# KiCad board processed.kicad_pcb (continued)
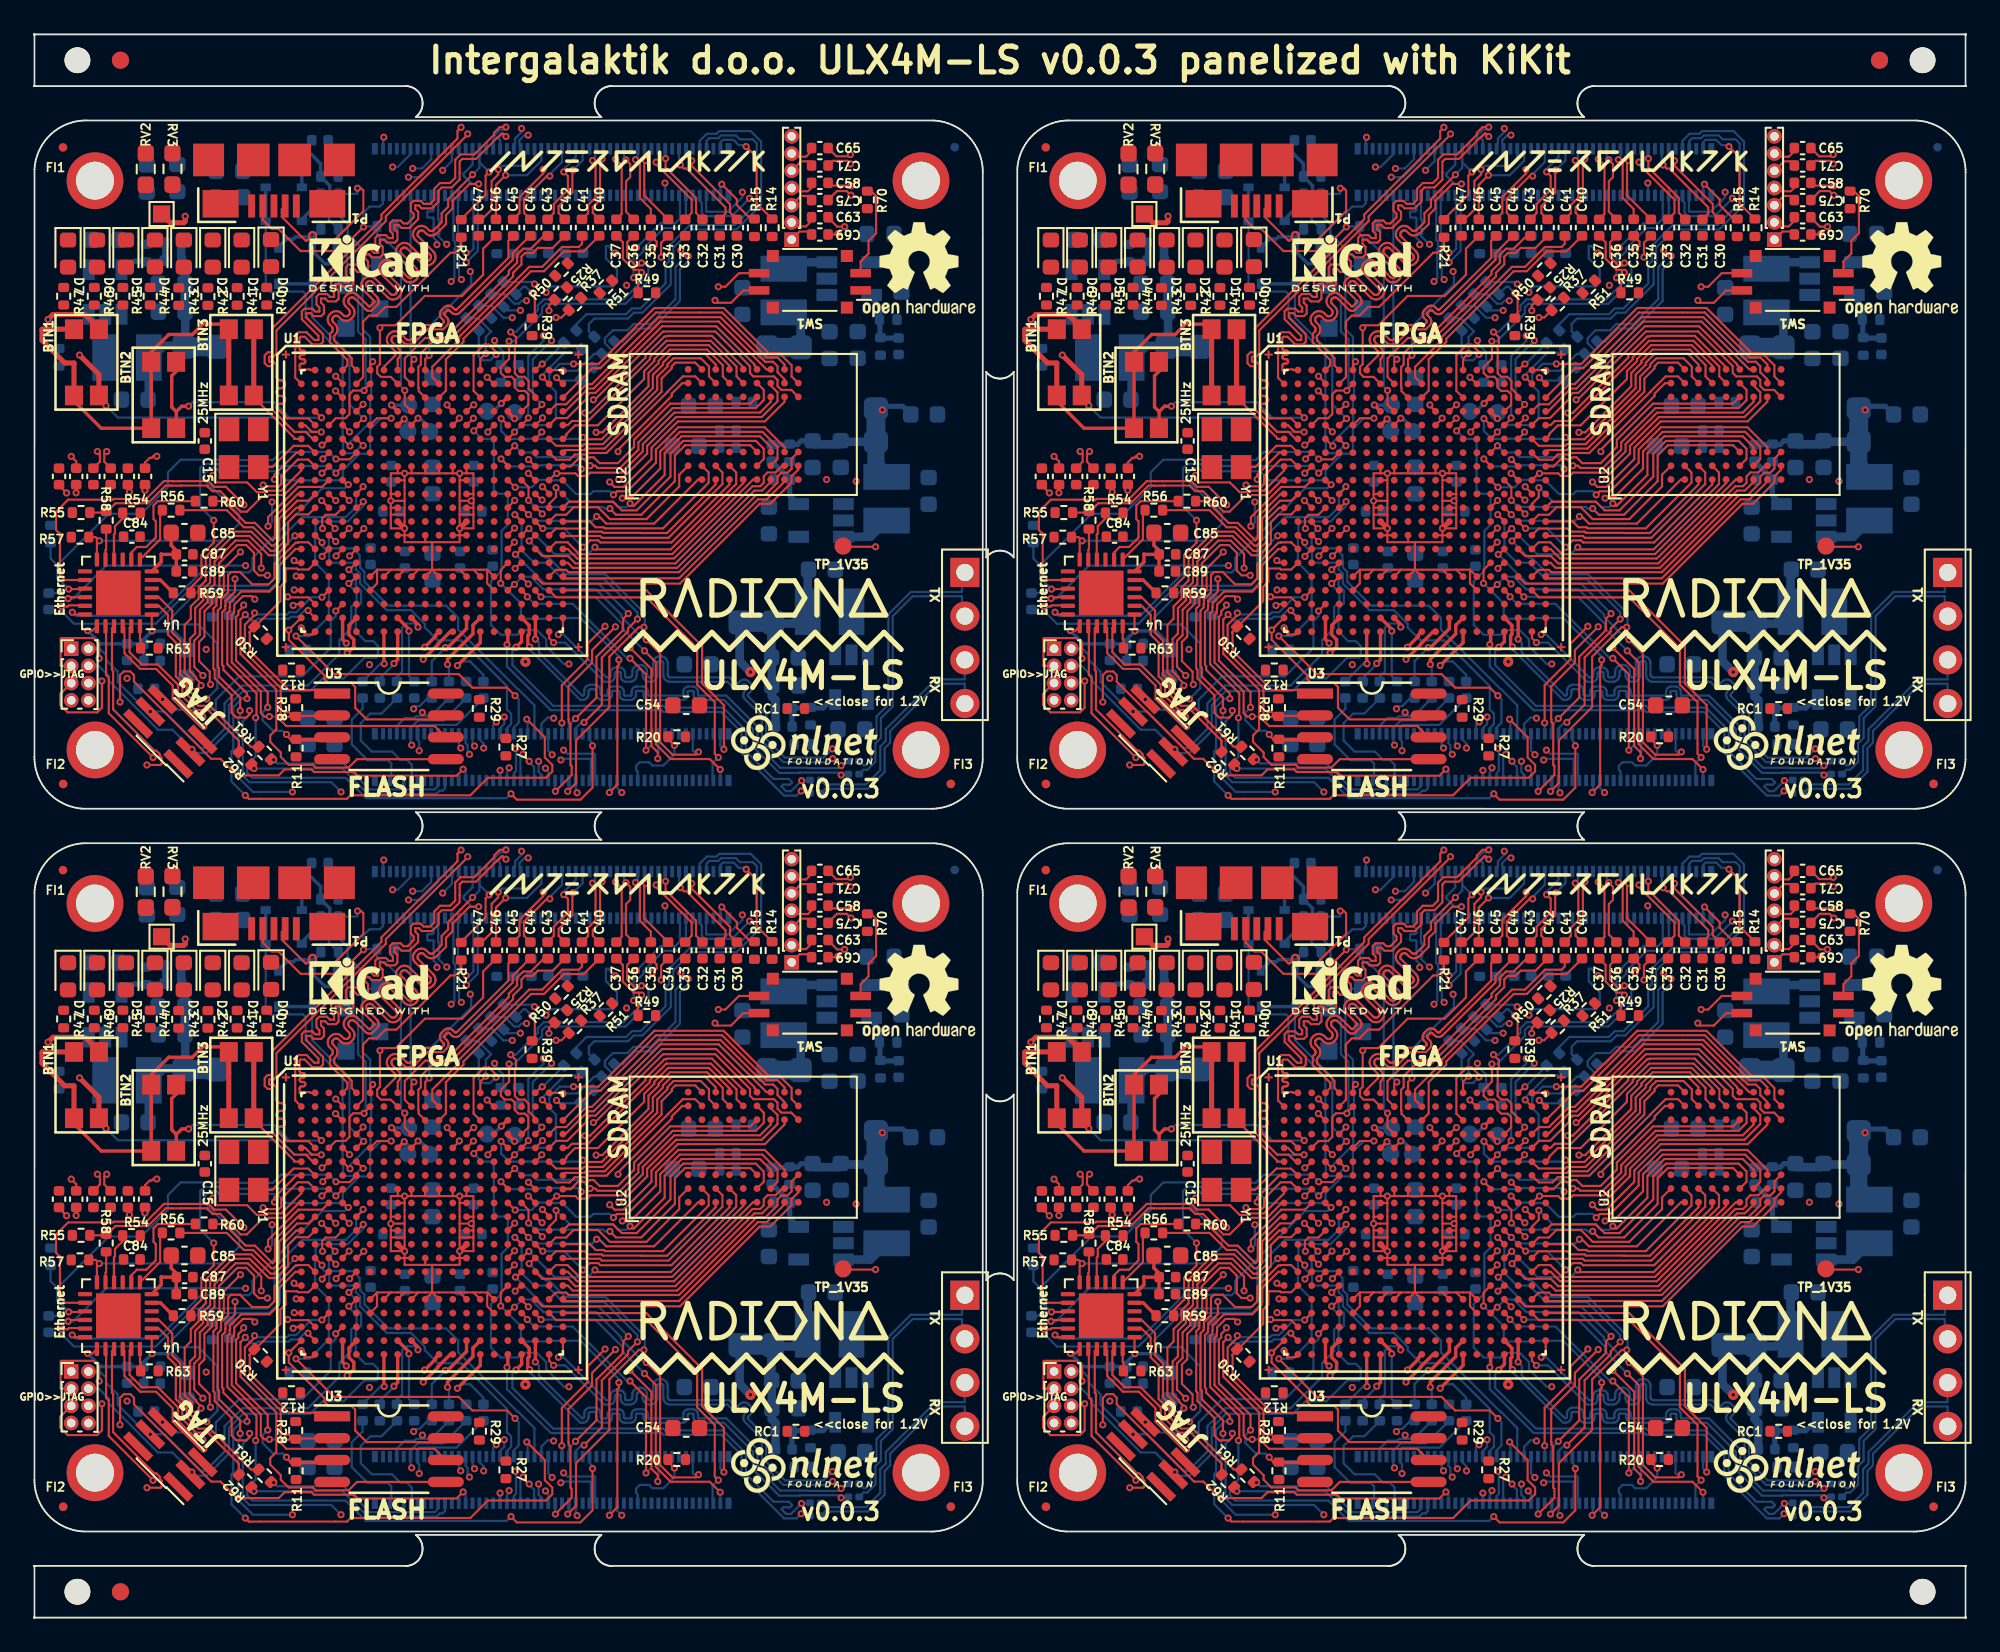
[diagram p0: board, top side]
## Routing (per net, layer and track width the routed paths; a pad name or vN(x,y) marks a point on that pad's centre or on a via; arc(x,y) is an arc through that point) (continued)
Board_1-CAM1_D1_P: length 20.5
  Top w0.127: U1#2.E4 75.03,69.3 v1(75.42,68.91)
  In2.Cu w0.127: v1(75.42,68.91) 75.83,69.32 75.83,70.03 75.88,70.08 76.34,70.08 76.38,70.12 76.63,70.12 76.63,70.67 78.58,72.62 78.58,73.13 80.12,74.67 80.4,74.95 80.42,74.96 80.47,75.02 80.5,75.09 80.52,75.17 80.52,75.25 80.5,75.33 80.47,75.4 80.42,75.46 80.31,75.57 80.29,75.59 80.28,75.61 80.28,75.64 80.28,75.66 80.28,75.69 80.29,75.71 80.31,75.73 80.32,75.75 80.34,75.77 80.37,75.78 80.39,75.78 80.42,75.78 80.44,75.78 80.47,75.77 80.49,75.75 81.04,75.2 81.1,75.15 81.17,75.12 81.25,75.1 81.33,75.1 81.4,75.12 81.47,75.15 81.54,75.2 81.58,75.25 81.63,75.31 81.67,75.38 81.68,75.46 81.68,75.54 81.67,75.62 81.63,75.69 81.58,75.75 81.3,76.03 81.3,76.03 81.04,76.3 81.02,76.32 81.01,76.34 81.01,76.37 81.01,76.39 81.01,76.42 81.02,76.44 81.04,76.46 81.05,76.48 81.07,76.49 81.1,76.51 81.12,76.51 81.15,76.51 81.17,76.51 81.2,76.49 81.22,76.48 81.33,76.37 81.39,76.32 81.46,76.29 81.54,76.27 81.62,76.27 81.69,76.29 81.76,76.32 81.83,76.37 81.84,76.39 81.84,76.39 81.92,76.47 v1(81.92,77.76)
  Bottom w0.127: J2#2.23 81.72,82.6 81.72,80.15 81.82,80.05 81.82,79.45 81.78,79.41 81.78,77.9 v1(81.92,77.76)
Board_1-Camera_GPIO: length 18.4
  Top w0.127: U1#2.U19 87.43,59.29 92.67,59.29 95.62,56.34 95.62,54.22 96.64,53.19 96.64,50.2 v1(96.85,49.99)
  Bottom w0.127: J1#2.97 96.52,48.69 96.52,49.65 v1(96.85,49.99)
Board_1-CLK_25MHz: length 4
  Top w0.127: U1#2.G2 73.02,68.09 72.17,68.09 70.93,66.86 Y1#2.3
Board_1-CM4_1.8V: length 0.4
  Bottom w0.127: J1#2.88 J1#2.90
Board_1-DSI0_C_N: length 15.6
  Top w0.127: R39#2.1 86.19,75.67 86.19,76.81 v1(86.02,76.97)
  In2.Cu w0.127: v1(86.02,76.97) 86.21,76.97 86.67,77.42 v1(91.52,77.42)
  In3.Cu w0.127: v1(91.52,77.42) 91.53,77.43 91.53,79.05 v1(92.09,79.61)
  Bottom w0.127: v1(92.09,79.61) 93.51,81.03 94.35,81.03 94.62,81.3 94.62,82.59 J2#2.87 ; R38#2.2 85.53,77.35 85.65,77.35 v1(86.02,76.97)
Board_1-DSI0_C_P: length 16.9
  Top w0.127: R49#2.1 92.19,77.6 v1(91.93,77.86)
  In2.Cu w0.127: v1(91.93,77.86) 91.64,77.86 89.88,79.61 88.28,79.61 v1(86.17,77.5)
  Bottom w0.127: v1(91.93,77.86) 91.93,79.17 92.26,79.17 92.49,79.4 92.5,79.4 92.5,79.57 93.68,80.75 94.45,80.75 94.97,81.26 J2#2.89 ; R26#2.1 86.05,77.62 v1(86.17,77.5)
Board_1-DSI0_D1_P: length 25.7
  In2.Cu w0.127: v1(93.75,83.37) 93.75,82.89 93.11,82.89 92.09,83.91 91.25,83.91 89.93,82.59 89.93,80.24 v1(90.87,79.3) ; v1(86.85,77.01) 86.85,76.8 85.59,75.54 v1(84.88,75.54) 84.55,75.54 83.85,74.84 v1(83.85,74.21)
  Bottom w0.127: R24#2.1 83.68,76.23 84.36,75.54 v1(84.88,75.54) ; J2#2.83 93.77,83.35 v1(93.75,83.37) ; R52#2.1 84.36,72.94 84.36,73.55 83.85,74.06 v1(83.85,74.21) ; v1(86.85,77.01) 86.85,77.08 87.12,77.36 90.72,77.36 90.96,77.6 90.96,78.35 90.32,78.99 90.32,79.71 90.46,79.71 v1(90.87,79.3)
Board_1-DSI1_D2_N: length 21.5
  In2.Cu w0.127: v1(94.67,79.46) 94.88,79.67 97.8,79.67 98.86,80.73 98.86,82.29 v1(98.67,82.48)
  Bottom w0.127: v1(98.67,82.48) 97.64,81.44 96.07,81.44 95.89,81.62 95.89,82.21 95.77,82.33 J2#2.93 ; R34#2.2 90.02,72.65 90.64,73.26 90.64,73.67 90.26,74.06 90.26,74.34 90.72,74.81 91.56,74.81 91.92,75.17 92.91,75.17 94.36,76.62 94.36,78.48 94.67,78.79 v1(94.67,79.46)
Board_1-DSI1_D2_P: length 19.1
  In2.Cu w0.127: v1(95.1,79.12) 95.39,79.41 97.9,79.41 99.11,80.62 99.11,82.75 98.82,83.04 98.46,83.04 v1(98.25,82.83)
  Bottom w0.127: v1(98.25,82.83) 98.25,82.54 97.41,81.7 96.18,81.7 96.14,81.73 96.14,82.62 J2#2.95 ; v1(95.1,79.12) 95.1,78.83 94.62,78.34 94.62,76.51 93.01,74.91 92.03,74.91 91.28,74.16 R22#2.1
Board_1-DSI1_D3_N: length 23.1
  Bottom w0.127: J2#2.94 95.77,85.81 96.18,86.23 96.75,86.23 96.91,86.38 98.73,86.38 99.34,85.78 99.34,82.1 97.91,80.67 95.3,80.67 94.24,79.6 94.24,78.71 94.09,78.56 94.09,77.47 92.44,75.83 91.94,75.83 91.6,75.49 89.64,75.49 89.33,75.18 89.33,74.75 R35#2.2
Board_1-DSI1_D3_P: length 22.1
  Bottom w0.127: R23#2.1 88.6,75.15 89.19,75.74 91.5,75.74 91.84,76.08 92.34,76.08 93.78,77.53 93.78,78.62 93.98,78.82 93.98,79.71 95.19,80.92 97.8,80.92 99.09,82.2 99.09,85.67 98.86,85.9 98.11,85.9 97.88,86.13 97.01,86.13 96.85,85.97 96.33,85.97 96.17,85.81 J2#2.96
Board_1-ETH_0N: length 30.1
  Top w0.127: U4#2.20 61.27,57.57 61.27,54.77 61.43,54.62 61.43,52.55 v1(64,49.98)
  In2.Cu w0.127: v1(79.03,50.7) 78.44,50.11 72.37,50.11 72.06,49.8 71.54,49.8 71.12,49.39 70.76,49.39 70.15,50 66.64,50 66.03,49.39 65.34,49.39 64.75,49.98 v1(64,49.98)
  Bottom w0.127: v1(79.03,50.7) 78.97,50.77 J1#2.10 78.97,51.7 79.4,52.13 80.89,52.13 C70#2.2
Board_1-ETH_0P: length 33.2
  Top w0.127: U4#2.21 61.62,57.48 61.62,55.07 61.68,55 61.68,52.77 64.08,50.38 64.2,50.38 64.4,50.18 64.4,50.06 64.5,49.96 64.5,49.61 64.43,49.55 v1(63.65,49.55)
  In2.Cu w0.127: v1(63.65,49.55) 63.68,49.58 64.79,49.58 65.23,49.13 66.14,49.13 66.75,49.75 70.04,49.75 70.65,49.13 71.23,49.13 71.64,49.55 72.16,49.55 72.47,49.86 78.95,49.86 v1(79.47,50.37)
  Bottom w0.127: v1(79.47,50.37) 79.47,50.91 79.37,51.01 J1#2.12 79.37,51.74 79.5,51.88 81.64,51.88 C64#2.1
Board_1-ETH_1N: length 27.5
  Top w0.127: U4#2.22 62.34,57.51 62.34,56.04 63.25,55.13 64.18,55.13 65.15,54.16 65.15,53.39 66.75,51.79 v1(66.95,51.79)
  In2.Cu w0.127: v1(79.65,52.6) 78.26,51.21 72.91,51.21 72.31,50.61 71.67,50.61 71.31,50.25 71.06,50.25 70.31,51 67.74,51 v1(66.95,51.79)
  Bottom w0.127: v1(79.65,52.6) 79.87,52.38 80.15,52.38 ; 80.15,52.38 79.29,52.38 79.19,52.28 78.64,52.28 78.17,51.81 J1#2.6 ; 80.15,52.38 C74#2.2
Board_1-ETH_1P: length 23.1
  Top w0.127: U4#2.23 62.64,57.51 62.64,56.1 63.36,55.38 64.28,55.38 65.45,54.22 65.45,53.44 66.56,52.33 v1(66.89,52.33)
  In2.Cu w0.127: v1(79.15,52.81) 77.8,51.46 72.76,51.46 72.16,50.86 71.57,50.86 71.21,50.5 70.45,51.26 68.26,51.26 67.19,52.33 v1(66.89,52.33)
  Bottom w0.127: C57#2.1 79.96,53.44 79.49,52.96 79.3,52.96 v1(79.15,52.81)
Board_1-ETH_2N: length 8.2
  Bottom w0.127: C73#2.2 77.28,52.53 76.63,52.53 76.08,51.98 76.08,50.96 76.71,50.33 77.89,50.33 78.38,49.84 78.76,49.84 79.04,49.56 79.04,48.72 J1#2.9
Board_1-ETH_3P: length 6.7
  Bottom w0.127: C62#2.1 76.18,52.82 75.55,52.19 75.55,50.75 76.48,49.82 77.66,49.82 77.85,49.63 77.85,48.73 J1#2.3
Board_1-ETH_MDIO: length 29.2
  Top w0.127: R57#2.2 60.67,62.79 v1(60.88,62.58) 60.74,62.44 U4#2.12 ; U1#2.E6 77.02,69.7 v1(77.84,69.7)
  Bottom w0.127: v1(60.88,62.58) 68.02,62.58 69.01,63.57 69.01,64.1 67,66.11 67,66.49 67.29,66.78 67.67,66.78 67.84,66.62 71.21,66.62 71.74,66.09 74.8,66.09 75.03,66.32 75.03,66.67 76,67.64 76.48,67.64 76.62,67.78 76.62,69.07 77.25,69.7 v1(77.84,69.7)
Board_1-ETH_nLED1: length 12.6
  Top w0.127: R62#2.1 69.87,49.42 v1(69.87,49.34)
  Bottom w0.127: v1(69.87,49.34) 75.01,49.34 76.48,47.87 80.48,47.87 80.66,48.05 80.83,48.05 80.97,48.19 J1#2.19
Board_1-ETH_nLED2: length 10.9
  Top w0.127: R61#2.1 70.89,49.85 v1(71.02,49.85)
  Bottom w0.127: v1(71.02,49.85) 71.23,49.64 75.08,49.64 76.59,48.12 80.37,48.12 80.57,48.32 J1#2.17
Board_1-ETH_~{RESET}: length 26.3
  Top w0.127: U4#2.15 60.02,59.77 v1(59.1,59.77) ; v1(74.63,67.33) 74.65,67.3 75.43,67.3 U1#2.G5
  Bottom w0.127: 58.44,61.16 58.44,60.43 v1(59.1,59.77) 58.61,59.77 58.38,59.54 C83#2.2 ; 58.44,61.16 61.43,64.15 63.32,64.15 64.87,65.7 64.87,66.56 65.6,67.29 67.88,67.29 67.9,67.27 70.97,67.27 71.44,67.74 74.22,67.74 v1(74.63,67.33) ; 58.44,61.16 58.05,61.55 R53#2.2
Board_1-FPDI_D1+: length 17
  Top w0.127: C35#2.1 93.27,79.96 93.27,79.72 v1(93.02,79.47) ; v1(86.6,70.5) 86.6,70.47 U1#2.D18
  In2.Cu w0.127: v1(93.02,79.47) 93.69,79.47 94.04,79.12 94.04,77.53 93.49,76.99 92.52,76.99 91.29,75.76 89.48,75.76 88.16,74.44 87.39,74.44 v1(87.16,74.21)
  Bottom w0.127: v1(87.16,74.21) 86.07,73.12 86.07,71.03 v1(86.6,70.5)
Board_1-FPDI_D1-: length 17
  Top w0.127: C34#4.1 93.53,79.9 v1(93.53,79.06) ; U1#2.E17 85.81,69.69 v1(85.81,69.72)
  In2.Cu w0.127: v1(86.69,74.49) 86.9,74.7 88.06,74.7 89.38,76.01 91.19,76.01 92.42,77.24 93.39,77.24 93.74,77.59 93.74,78.85 v1(93.53,79.06)
  Bottom w0.127: v1(85.81,69.72) 85.81,73.31 86.69,74.19 v1(86.69,74.49)
Board_1-FPDI_D2+: length 17.1
  Top w0.127: v1(84.79,74.71) 85.1,74.4 85.1,73.92 85.03,73.85 85.03,72.31 85.23,72.1 85.59,72.1 85.83,71.86 85.83,71.42 86.22,71.03 U1#2.C18 ; v1(92.39,78.17) 92.24,78.32 91.95,78.32 91.3,78.96 91.3,79.92 C37#2.1
  Bottom w0.127: v1(84.79,74.71) 85.08,74.71 86.36,75.98 86.36,76.25 86.71,76.6 91.35,76.6 92.39,77.65 v1(92.39,78.17)
Board_1-FPDI_D2-: length 19.2
  Top w0.127: C36#2.1 91.56,79.92 91.56,79.07 92.05,78.57 92.24,78.57 v1(92.39,78.72) ; U1#2.D17 85.81,70.49 85.81,71.08 85.61,71.29 85.23,71.29 85.02,71.5 85.02,71.93 84.84,72.1 84.43,72.1 84.21,72.33 84.21,72.66 84.69,73.14 v1(84.69,74.17)
  Bottom w0.127: v1(84.69,74.17) 84.99,74.17 86.61,75.79 86.61,76.14 86.82,76.35 91.46,76.35 92.79,77.68 92.79,78.61 92.69,78.72 v1(92.39,78.72)
Board_1-GLOBAL_EN: length 18.7
  Top w0.127: U1#2.U18 86.22,59.65 v1(86.55,59.32) ; v1(96.96,49.29) 96.35,49.89 94.08,49.89 93.22,50.76 93.22,55.52 v1(92.56,56.18)
  Bottom w0.127: v1(96.96,49.29) 96.97,49.28 J1#2.99 ; v1(86.55,59.32) 89.7,59.32 91.27,57.74 91.27,57.47 v1(92.56,56.18)
Board_1-GN0: length 14.4
  Top w0.127: U1#2.C11 81.02,71.3 81.02,73.11 82.04,74.14 82.04,74.32 85.96,78.24 86.72,78.24 87.88,79.39 89.03,79.39 C40#2.1
Board_1-GN3: length 14.4
  Top w0.127: U1#2.C10 79.44,71.27 79.44,71.46 79.42,71.49 79.42,72.67 79.57,72.82 79.57,73.46 80.21,74.11 81.1,74.11 84.93,77.94 84.93,78.15 85.41,78.64 85.41,79.09 85.62,79.29 86.07,79.29 86.37,79.59 87.23,79.59 C42#2.1
Board_1-GN4: length 14
  Top w0.127: C44#2.1 85.9,80.3 84.9,79.3 84.9,78.91 81.84,75.84 81.78,75.79 81.71,75.76 81.63,75.74 81.55,75.74 81.48,75.76 81.41,75.79 81.35,75.84 81.25,75.94 81.23,75.96 81.2,75.97 81.18,75.98 81.15,75.98 81.13,75.97 81.11,75.96 81.09,75.94 80.97,75.82 80.95,75.8 80.94,75.78 80.93,75.76 80.93,75.73 80.94,75.71 80.95,75.68 80.97,75.66 81.07,75.56 81.12,75.5 81.15,75.43 81.17,75.36 81.17,75.28 81.15,75.2 81.12,75.13 81.07,75.07 80.86,74.86 79.95,74.86 79.19,74.1 79.11,74.04 79.02,73.99 78.92,73.97 78.82,73.97 78.72,73.99 78.63,74.04 78.55,74.1 78.23,74.42 78.19,74.45 78.15,74.47 78.1,74.48 78.05,74.48 78,74.47 77.96,74.45 77.92,74.42 77.89,74.38 77.87,74.34 77.85,74.29 77.85,74.24 77.87,74.19 77.89,74.14 77.92,74.1 78.24,73.78 78.3,73.7 78.35,73.61 78.37,73.52 78.37,73.42 78.35,73.32 78.3,73.23 78.24,73.15 78.22,73.13 U1#2.A8
Board_1-GN5: length 14
  Top w0.127: C46#2.1 83.18,79.55 83.18,78.03 81.96,76.81 79.8,76.81 78.09,75.1 77.33,75.1 v1(77.19,74.95) 77.19,72.84 77.03,72.68 77.03,72.31 77.24,72.1 77.82,72.1 U1#2.B8
Board_1-GP0: length 13.4
  Top w0.127: U1#2.B11 80.23,72.09 80.23,72.68 81.79,74.24 81.79,74.42 85.86,78.49 86.62,78.49 87.77,79.65 88.74,79.65 88.93,79.84 C41#2.1
Board_1-GP3: length 13.3
  Top w0.127: U1#2.B9 78.63,72.09 78.63,73.18 79.82,74.37 80.97,74.37 84.67,78.07 84.67,78.26 85.16,78.74 85.16,79.19 85.52,79.55 85.96,79.55 86.71,80.3 C43#2.1
Board_1-GP4: length 13.9
  Top w0.127: C45#2.1 84.65,80.02 84.65,79.01 81.67,76.03 81.65,76.02 81.63,76.01 81.6,76 81.58,76 81.56,76.01 81.53,76.02 81.51,76.03 81.41,76.14 81.35,76.19 81.28,76.22 81.21,76.24 81.13,76.24 81.05,76.22 80.98,76.19 80.92,76.14 80.77,75.99 80.72,75.93 80.69,75.86 80.67,75.78 80.67,75.7 80.69,75.63 80.72,75.56 80.77,75.5 80.88,75.4 80.89,75.38 80.9,75.35 80.91,75.33 80.91,75.31 80.9,75.28 80.89,75.26 80.88,75.24 80.75,75.12 79.85,75.12 79.03,74.3 78.99,74.27 78.95,74.25 78.9,74.23 78.85,74.23 78.8,74.25 78.75,74.27 78.71,74.3 78.39,74.62 78.31,74.68 78.22,74.73 78.13,74.75 78.03,74.75 77.93,74.73 77.84,74.68 77.76,74.62 77.72,74.58 77.66,74.5 77.61,74.41 77.59,74.31 77.59,74.21 77.61,74.11 77.66,74.02 77.72,73.94 78.04,73.62 78.07,73.58 78.09,73.54 78.1,73.49 78.1,73.44 78.09,73.39 78.07,73.35 78.04,73.31 77.42,72.69 U1#2.A7
Board_1-GPIO2: length 19.7
  Top w0.127: v1(85.03,64.1) 85.42,63.71 U1#2.M17 ; v1(89.05,52.02) 90.08,53.05 90.08,55.79 91.6,57.31 91.6,57.48 v1(92.15,58.03)
  Bottom w0.127: v1(92.15,58.03) 92.15,58.42 90.23,60.34 87.83,60.34 86.87,61.3 86.15,61.3 85.42,62.03 85.42,63.71 v1(85.03,64.1) ; J1#2.58 88.57,51.69 88.9,52.02 v1(89.05,52.02)
Board_1-GPIO3: length 16.9
  Top w0.127: v1(85.06,61.79) 85.11,61.79 U1#2.P17 ; v1(91.62,58.35) 91.32,58.05 91.32,57.38 89.77,55.83 89.77,53.46 v1(88.55,52.24)
  Bottom w0.127: v1(88.55,52.24) 88.17,51.86 J1#2.56 ; v1(91.62,58.35) 89.9,60.07 86.78,60.07 v1(85.06,61.79)
Board_1-GPIO4: length 15.4
  Top w0.127: v1(90.27,57.61) 89.26,56.6 89.26,55.69 87.76,54.18 v1(87.76,51.99) ; U1#2.P16 84.62,62.12 v1(85,62.5)
  In2.Cu w0.127: v1(90.27,57.61) 89.85,58.03 89.85,58.22 87.8,60.27 87.8,60.38 86.39,61.79 85.63,61.79 85,62.42 v1(85,62.5)
  Bottom w0.127: J1#2.54 87.77,51.98 v1(87.76,51.99)
Board_1-GPIO5: length 48
  Top w0.127: U1#2.N1 72.28,62.9 v1(72.25,62.87)
  In2.Cu w0.127: v1(83.95,52.05) 84.16,51.84 84.16,50.47 83.83,50.14 83.31,50.14 83.17,49.99 82.79,49.99 82.51,49.71 80.98,49.71 80.3,49.04 77.66,49.04 77.64,49.02 77.26,49.02 76.88,49.39 74.04,49.39 73.92,49.27 71.72,49.27 71.32,48.87 69.95,48.87 69.87,48.94 68.86,48.94 68.57,48.65 65.35,48.65 64.68,49.32 64,49.32 63.82,49.15 63.48,49.15 63.25,49.38 63.25,49.81 63.81,50.38 64.12,50.38 v1(67.12,53.38)
  Bottom w0.127: J1#2.34 83.77,51.86 v1(83.95,52.05) ; v1(67.12,53.38) 67.74,54 67.74,56.6 66.63,57.72 65.38,57.72 65.06,58.04 65.06,58.11 66.66,59.71 70.75,59.71 71.37,60.33 71.37,61.99 v1(72.25,62.87)
Board_1-GPIO6: length 21.2
  Top w0.127: v1(72.2,61.43) 72.33,61.3 U1#2.R1
  In2.Cu w0.127: v1(72.2,61.43) 72.72,60.91 72.72,60.59 73.61,59.7 75.19,59.7 76.25,59.69 77.4,58.55 77.65,58.55 77.72,58.61 81.41,58.61 82.18,57.84 82.18,56.43 83.54,55.07 83.54,53.37 83.14,52.97 83.14,50.6 v1(83.22,50.53)
  Bottom w0.127: J1#2.30 82.97,51.04 83.22,50.79 v1(83.22,50.53)
Board_1-GPIO7: length 21.6
  Top w0.127: v1(73.83,61.67) 73.83,61.71 U1#2.P3
  In2.Cu w0.127: v1(84.7,49.38) 84.67,49.41 84.67,50.69 84.81,50.84 84.81,52.53 84.6,52.74 84.54,52.74 83.81,53.46 83.81,55.16 82.43,56.54 82.43,57.98 81.54,58.86 77.44,58.86 75.81,60.49 75.19,60.49 74.34,60.5 73.83,61 v1(73.83,61.67)
  Bottom w0.127: J1#2.37 84.57,49.1 84.7,49.23 v1(84.7,49.38)
Board_1-GPIO8: length 21.2
  Top w0.127: v1(74.64,61.7) 74.64,61.72 U1#2.P4
  In2.Cu w0.127: v1(74.64,61.7) 75.04,61.29 75.62,61.29 77.25,59.67 82,59.67 82.21,59.46 82.21,58.59 82.7,58.1 82.7,56.63 84.07,55.26 84.07,53.57 84.64,52.99 84.71,52.99 85.07,52.63 v1(85.07,50.5)
  Bottom w0.127: J1#2.39 84.97,49.06 85.1,49.19 85.1,50.47 v1(85.07,50.5)
Board_1-GPIO9: length 28.6
  Top w0.127: U1#2.L5 75.86,64.5 v1(76.22,64.85) ; v1(85.04,53.57) 84.58,54.04 82.56,54.04 81.77,54.83 74.52,54.83 v1(72.31,57.04)
  Bottom w0.127: v1(72.31,57.04) 73.09,57.04 74.22,58.17 74.22,60.51 73.42,61.31 73.42,63 73.45,63.02 73.45,63.47 73.67,63.7 75.31,63.7 76.22,64.6 v1(76.22,64.85) ; J1#2.40 84.97,51.72 85.25,52 85.25,53.36 v1(85.04,53.57)
Board_1-GPIO10: length 48
  Top w0.127: v1(69.37,47.78) 69.57,47.58 75.27,47.58 75.48,47.79 82.44,47.79 83.46,48.81 86.84,48.81 87.2,49.17 87.2,49.55 86.77,49.99 86.77,51.16 v1(85.72,52.21) ; v1(69.47,53.4) 69.47,53.7 68.09,55.07 68.09,55.29 68.02,55.36 68.02,58.42 68.2,58.6 68.2,58.79 68.21,58.8 68.21,59.07 68.77,59.63 v1(68.77,60.36) ; v1(75.4,64.92) 75.4,64.92 U1#2.K4
  In2.Cu w0.127: v1(75.4,64.92) 74.75,65.57 73.08,65.57 71.09,63.57 71.09,62.72 69.93,61.57 69.31,61.57 69.28,61.53 69.21,61.53 68.77,61.09 v1(68.77,60.36)
  Bottom w0.127: v1(69.37,47.78) 68.56,48.59 68.56,50.33 68.67,50.44 68.67,52.9 69.17,53.4 v1(69.47,53.4) ; J1#2.44 85.77,52.16 v1(85.72,52.21)
Board_1-GPIO11: length 18.8
  Top w0.127: U1#2.N2 73.82,62.49 v1(73.82,62.48)
  Bottom w0.127: v1(73.82,62.48) 73.82,62.29 74.24,61.87 74.24,61.3 74.25,61.3 75.62,61.29 75.79,61.13 75.79,60.91 76.04,60.66 76.04,60.09 77.58,58.54 79,58.54 79.8,57.74 79.8,57.54 80.55,56.79 81.91,56.79 84.57,54.13 84.57,52.77 84.81,52.53 84.81,51.92 84.57,51.68 J1#2.38
Board_1-GPIO12: length 29.6
  Top w0.127: U1#2.L2 73.03,64.1 72.3,64.1 71.85,63.65 71.85,62.41 71.17,61.73 70.73,61.73 69.61,62.85 68.64,62.85 67.32,61.54 67.32,60.16 66.91,59.75 66.91,59.12 66.45,58.66 66.45,57.18 66.14,56.88 66.14,54.99 66.51,54.63 66.51,54.55 66.8,54.27 v1(66.8,54.17) ; J6#2.3 58.65,55.31 58.63,55.32 58.63,56.88 58.67,56.92 60.55,56.92 60.87,56.59 v1(60.87,55.74)
  In2.Cu w0.127: v1(60.87,55.74) 61.04,55.58 61.04,55.35 61.15,55.35 62.31,54.18 63.97,54.18 64.45,54.67 66.3,54.67 v1(66.8,54.17)
Board_1-GPIO13: length 21.4
  Top w0.127: v1(72.32,60.52) 72.35,60.5 U1#2.T1
  In2.Cu w0.127: v1(72.32,60.52) 72.32,60.22 73.65,58.89 74.17,58.89 74.22,58.85 74.22,57.91 74.55,57.58 75.58,57.58 75.99,57.17 77.71,57.17 78.9,58.36 81.3,58.36 81.92,57.73 81.92,56.33 83.27,54.98 83.27,53.51 82.68,52.92 v1(82.68,50.65)
  Bottom w0.127: v1(82.68,50.65) 82.57,50.77 J1#2.28
Board_1-GPIO14: length 22
  Top w0.127: v1(92.53,57.56) 92.23,57.56 90.52,55.84 90.52,52.91 88.58,50.97 88.58,48.5 v1(88.1,48.02) ; v1(85.86,62.57) 86.19,62.9 U1#2.N18
  Bottom w0.127: v1(88.1,48.02) 88.17,48.08 J1#2.55 ; v1(85.86,62.57) 86.83,61.6 87,61.6 87.97,60.63 90.3,60.63 92.58,58.35 92.58,57.61 v1(92.53,57.56)
Board_1-GPIO15: length 21
  Top w0.127: v1(87.38,48.02) 88.33,48.96 88.33,49.48 88.26,49.55 88.26,51.93 88.16,52.03 88.16,52.18 88.14,52.2 88.14,54.12 89.52,55.49 89.52,56.22 v1(90.87,57.58) ; U1#2.N16 84.62,62.92 v1(85.01,63.31)
  In2.Cu w0.127: v1(85.01,63.31) 85.44,62.88 85.44,62.39 85.79,62.04 86.62,62.04 88.05,60.61 88.05,60.47 90.32,58.2 90.32,58.13 v1(90.87,57.58)
  Bottom w0.127: v1(87.38,48.02) 87.37,48.03 J1#2.51
Board_1-GPIO16: length 28.8
  Top w0.127: U1#2.L1 72.33,64.5 71.6,63.76 71.6,62.51 71.07,61.99 70.84,61.99 69.72,63.11 68.53,63.11 67.07,61.64 67.07,60.26 66.66,59.86 66.66,59.23 66.2,58.76 66.2,58.04 65.84,57.69 65.84,54.92 66.26,54.5 66.26,53.92 v1(66.36,53.82) ; v1(61.03,54.43) 61.03,52.88 60.76,52.61 59.04,52.61 58.61,53.03 58.61,53.67 J6#2.5
  In2.Cu w0.127: v1(61.03,54.43) 61.15,54.55 61.59,54.55 62.21,53.93 64.09,53.93 64.57,54.41 65.77,54.41 v1(66.36,53.82)
Board_1-GPIO17: length 68.2
  Top w0.127: v1(73.82,66.5) 73.83,66.5 U1#2.H3
  In2.Cu w0.127: v1(73.82,66.5) 72.98,67.35 67.95,67.35 67.38,67.91 66.81,67.91 66.21,67.32 65.5,67.32 65.26,67.08 58.31,67.08 57.78,66.55 57.78,52.62 57.95,52.45 57.95,49.48 59.59,47.84 63.52,47.84 63.55,47.81 67.11,47.81 67.14,47.84 67.52,47.84 67.55,47.81 68.8,47.81 69.17,48.18 69.56,48.18 69.63,48.11 71.64,48.11 72.04,48.51 74.5,48.51 74.63,48.63 76.56,48.63 76.94,48.26 77.96,48.26 77.97,48.28 83.57,48.28 83.57,48.28 83.72,48.28 84.22,48.78 86.89,48.78 87.24,49.12 87.24,50.1 v1(87.19,50.15)
  Bottom w0.127: v1(87.19,50.15) 86.97,50.37 J1#2.50
Board_1-GPIO18: length 25.4
  Top w0.127: U1#2.N5 75.86,62.9 v1(76.25,63.29)
  In2.Cu w0.127: v1(86.8,49.36) 86.98,49.54 86.98,49.71 86.79,49.9 86.79,51.37 86.63,51.54 86.63,55.61 86.62,55.62 86.62,57.04 86.2,57.46 86.04,57.46 85.62,57.04 83.89,57.04 83.81,57.12 83.81,59.91 83.81,59.91 83.81,60.3 83.85,60.34 83.85,61.82 83.39,62.28 77.26,62.28 v1(76.25,63.29)
  Bottom w0.127: v1(86.8,49.36) 86.97,49.2 J1#2.49
Board_1-GPIO19: length 21.9
  Top w0.127: v1(72.21,59.72) 72.23,59.7 U1#2.U1
  In2.Cu w0.127: v1(82.39,50.17) 82.28,50.27 82.28,52.89 83.02,53.63 83.02,54.87 81.67,56.22 81.67,57.63 81.2,58.1 79,58.1 77.81,56.91 75.88,56.91 75.49,57.3 74.02,57.3 73.41,57.91 73.41,58.74 72.43,59.72 v1(72.21,59.72)
  Bottom w0.127: v1(82.39,50.17) 82.28,50.27 82.28,50.7 82.17,50.81 J1#2.26
Board_1-GPIO20: length 28
  Top w0.127: v1(70.29,60.99) 70.29,61.81 69.52,62.59 68.79,62.59 67.58,61.37 67.58,60.05 67.17,59.65 67.17,59.01 66.72,58.57 66.72,57.09 66.4,56.77 66.4,55.25 v1(66.9,54.75) ; U1#2.L3 73.81,64.91 v1(73.8,64.91)
  In2.Cu w0.127: J6#2.1 59.9,56.96 61.39,56.96 62.49,55.85 v1(62.49,54.58) 63.04,55.13 66.51,55.13 v1(66.9,54.75) ; v1(73.8,64.91) 73.19,64.91 71.6,63.32 71.6,62.29 v1(70.29,60.99)
Board_1-GPIO21: length 53.8
  Top w0.127: v3(82.02,49.3) 81.64,48.92 75.9,48.92 75.68,49.14 73.35,49.14 73.2,49.29 71.65,49.29 71.31,48.94 68.88,48.94 67.92,49.91 67.38,49.91 62.89,54.39 62.89,54.78 62.68,54.98 62.3,54.98 62.08,54.77 v1(62.08,53.21) ; v1(67.34,54.23) 67.3,54.27 67.3,54.97 66.68,55.59 66.68,56.7 66.99,57.01 66.99,58.48 67.42,58.91 67.42,59.36 67.86,59.8 67.86,60.75 67.84,60.77 67.84,61.27 68.9,62.33 69.42,62.33 69.87,61.88 69.87,60.85 70.15,60.57 v1(70.65,60.57) ; U1#2.L4 74.61,64.09 74.03,64.09 73.83,63.88 73.83,63.31 v1(73.85,63.29)
  In2.Cu w0.127: J6#2.7 59.87,52.69 61.18,52.69 61.7,53.21 v1(62.08,53.21) 63.98,53.21 64.43,52.76 65.86,52.76 66.74,53.64 66.78,53.64 66.93,53.78 67.19,53.78 67.34,53.93 v1(67.34,54.23) ; v1(73.85,63.29) 72.65,62.09 72.16,62.09 v1(70.65,60.57)
  Bottom w0.127: v3(82.02,49.3) 82.17,49.15 J1#2.25
Board_1-GPIO22: length 20.3
  Top w0.127: v1(74.58,63.29) 74.22,63.65 U1#2.M3
  Bottom w0.127: v1(74.58,63.29) 74.22,62.93 74.22,62.29 74.37,62.14 75.61,62.14 76.01,61.74 76.01,61.43 76.04,61.4 76.04,61.02 76.29,60.77 76.29,60.2 77.67,58.82 77.83,58.82 77.84,58.81 81.03,58.81 81.73,58.11 81.73,57.42 85.19,53.96 85.22,53.96 86.17,53.01 J1#2.46
Board_1-GPIO23: length 23.9
  Top w0.127: v1(75.4,63.3) 75.02,62.92 U1#2.N4
  In2.Cu w0.127: v1(86.41,49.76) 86.54,49.89 86.54,51.27 86.37,51.43 86.37,54.12 84.17,56.33 84.15,56.33 83.55,56.92 83.55,59.81 83.55,59.81 83.55,60.4 83.59,60.44 83.59,61.72 83.29,62.02 76.68,62.02 v1(75.4,63.3)
  Bottom w0.127: v1(86.41,49.76) 86.4,49.75 86.4,49.14 86.57,48.98 J1#2.47
Board_1-GPIO24: length 23.4
  Top w0.127: v1(74.62,62.54) 74.26,62.9 U1#2.N3
  In2.Cu w0.127: v1(85.86,49.76) 85.86,49.81 86.28,50.23 86.28,51.16 86.12,51.33 86.12,53.93 83.3,56.75 83.3,59.7 83.3,59.7 83.3,60.35 82.81,60.84 76.93,60.84 75.66,62.11 75.05,62.11 v1(74.62,62.54)
  Bottom w0.127: J1#2.45 86.15,48.66 86.15,49.43 85.86,49.72 v1(85.86,49.76)
Board_1-GPIO25: length 21.5
  Top w0.127: U1#2.P5 75.43,61.7 v1(75.43,61.69)
  In2.Cu w0.127: v1(75.43,61.69) 75.71,61.69 76.88,60.53 82.76,60.53 83.04,60.24 83.04,59.6 83.05,59.6 83.05,56.64 84.32,55.37 84.32,53.67 84.75,53.24 84.81,53.24 85.32,52.74 85.32,51.97 85.48,51.81 85.48,50.19 v1(85.5,50.17)